# Altium PCB PCB.PcbDoc (part 2 of 10) (continued)
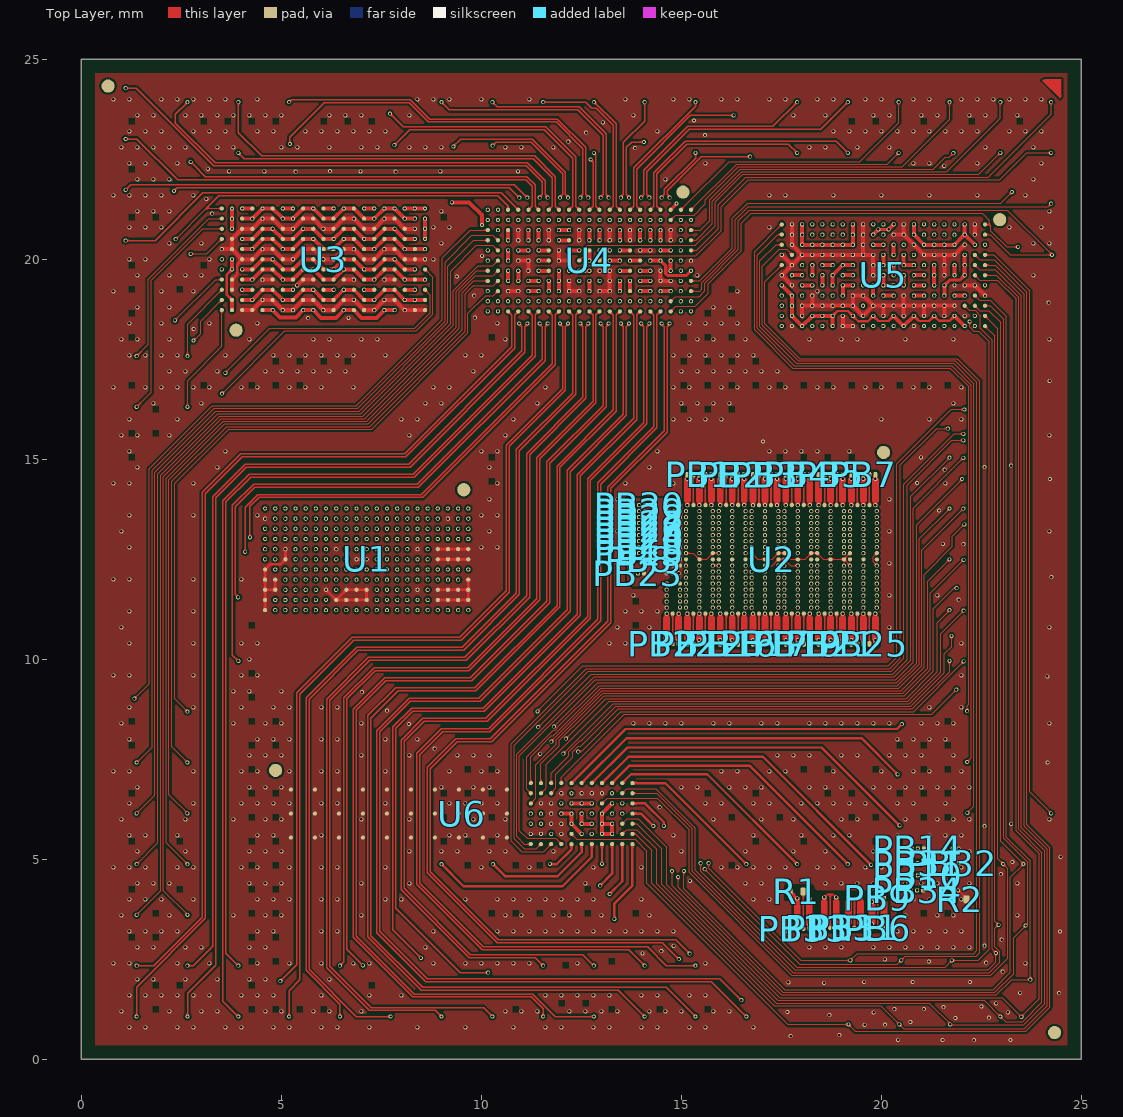
[diagram p0: Top Layer view]
## Nets (pads, with @x,y where several pads share a name; then routed paths per layer and width w, separated by ;. In a path a pad name is that pad's centre, name@x,y a point inside that pad or via, vN(x,y) a via of type N, cw(c..) or ccw(c..) an arc to the next point about the centre after c; other vN are vias at no path point) (continued)
  other v1: 13.207,4.133
  other v2: 13.207,4.133
  other v5: 13.207,4.133
  other v8: 6.15,4.88
  other v10: 13.215,3.822
eos34_sigIn_9: J1.T14 U6.G3 | length 7.3
  Top Layer w0.06: v5(12.969,4.341) 13.27,4.642 U6.G3@13.27,5.381
  Core1 w0.1: v6(12.498,4.33) 12.504,4.336 12.964,4.336 v5(12.969,4.341)
  bu3b w0.1: v3(7.42,4.88) v4(7.62,4.88)
  bu2b w0.1: v3(7.42,4.88) v4(7.62,4.88)
  bu1b w0.1: v3(7.42,4.88) 7.948,4.352 12.476,4.352 v6(12.498,4.33)
  other v1: 12.969,4.341
  other v2: 12.969,4.341
  other v7: 12.969,4.341
  other v8: 7.42,4.88
  other v10: 12.498,4.33
eos34_sigIn_10: J1.T10 U6.G4 | length 2
  Top Layer w0.06: U6.G4@13.016,5.381 13.017,5.38 v5(13.018,4.886) v5(13.018,4.886)
  Core1 w0.1: v3(12.5,4.88) 12.503,4.883 13.015,4.883 v5(13.018,4.886)
  Core1b w0.1: v3(12.5,4.88) v6(12.815,4.881)
  bu3b w0.1: v3(12.5,4.88) v4(12.7,4.88)
  bu2b w0.1: v3(12.5,4.88) v4(12.7,4.88)
  bu1b w0.1: v3(12.5,4.88) v6(12.815,4.881)
  other v1: 13.018,4.886
  other v2: 13.018,4.886
  other v7: 13.018,4.886
  other v8: 12.5,4.88
  other v10: 12.5,4.88
eos34_sigIn_11: J1.T13 U6.G5 | length 6
  Top Layer w0.06: v6(9.005,4.881) 9.558,4.327 12.028,4.327 12.762,5.061 U6.G5@12.762,5.381
  Core1 w0.1: v3(8.69,4.88) v6(9.005,4.881)
  Core1b w0.1: v3(8.69,4.88) v6(9.005,4.881)
  bu3b w0.1: v3(8.69,4.88) v4(8.89,4.88)
  bu2b w0.1: v3(8.69,4.88) v4(8.89,4.88)
  bu1b w0.1: v3(8.69,4.88) v6(9.005,4.881)
  other v1: 9.005,4.881
  other v2: 9.005,4.881
  other v5: 9.005,4.881
  other v7: 9.005,4.881
  other v8: 8.69,4.88
  other v10: 8.69,4.88
eos34_sigIn_12: J1.T12 U6.G6 | length 4.2
  Top Layer w0.06: v7(10.289,4.881) 10.589,4.581 11.91,4.581 12.507,5.178 12.507,5.38 U6.G6@12.508,5.381
  Core1 w0.1: v3(9.96,4.88) v7@10.288,4.881
  Core1b w0.1: v3(9.96,4.88) v6(10.275,4.881)
  bu3b w0.1: v3(9.96,4.88) v4(10.16,4.88)
  bu2b w0.1: v3(9.96,4.88) v4(10.16,4.88)
  bu1b w0.1: v3(9.96,4.88) v6(10.275,4.881)
  other v1: 10.289,4.881
  other v2: 10.289,4.881
  other v5: 10.289,4.881
  other v8: 9.96,4.88
  other v10: 9.96,4.88
eos34_sigIn_13: J1.T11 U6.G7 | length 2.3
  Top Layer w0.06: v7(11.711,4.889) 11.719,4.881 11.826,4.881 ; 11.827,4.881 11.887,4.881 12.254,5.248 U6.G7@12.254,5.381
  Core1 w0.1: v3(11.23,4.88) 11.235,4.885 11.707,4.885 v7(11.711,4.889)
  Core1b w0.1: v3(11.23,4.88) v6(11.545,4.881)
  bu3b w0.1: v3(11.23,4.88) v4(11.43,4.88)
  bu2b w0.1: v3(11.23,4.88) v4(11.43,4.88)
  bu1b w0.1: v3(11.23,4.88) v6(11.545,4.881)
  other v1: 11.711,4.889
  other v2: 11.711,4.889
  other v5: 11.711,4.889
  other v8: 11.23,4.88
  other v10: 11.23,4.88
equip__PulseCurver_Anode_v_E5: J1.M18 U1.O9 | length 8.2
  bu3b w0.035: v4(2.1,9.967) 2.107,9.96 v3(2.34,9.96)
  bu1 w0.03: v12(8.032,11.51) 8.146,11.624 8.146,11.735 v5(8.15,11.738)
  bu1b w0.03: v4(2.1,9.967) 2.094,9.961 1.847,9.961 1.705,10.103 1.705,10.257 1.88,10.432 5.116,10.432 6.376,11.692 7.937,11.692 8.032,11.597 v12(8.032,11.51)
  other v1: 8.15,11.738
  other v2: 8.15,11.738
  other v6: 8.032,11.51
  other v7: 8.032,11.51
  other v8: 2.1,9.967
equip__PulseCurver_Anode_v_E12: J1.L18 U1.F9 | length 5.3
  bu3b w0.035: v8(2.099,11.233) 2.102,11.23 v3(2.34,11.23)
  bu1 w0.03: v7(5.728,11.527) 5.864,11.663 v2(5.864,11.738)
  bu1b w0.03: v8(2.099,11.233) 1.876,11.233 1.713,11.396 1.713,11.552 1.892,11.731 5.524,11.731 v7(5.728,11.527)
  other v1: 5.864,11.738
  other v4: 2.099,11.233
  other v5: 5.864,11.738
  other v6: 5.728,11.527
  other v12: 5.728,11.527
equip__PulseCurver_Anode_v_E20: J1.J19 U1.O5 | length 7.9
  bu3b w0.035: v8(1.328,13.771) v3@1.071,13.771 ; v3(1.07,13.77) v3@1.071,13.771
  bu1 w0.03: v6(8.028,12.522) 8.146,12.64 8.146,12.751 v5(8.149,12.754)
  bu1b w0.03: v8(1.328,13.771) 1.559,13.771 1.69,13.64 1.69,13.466 1.977,13.179 7.089,13.179 7.552,12.716 7.834,12.716 v6(8.028,12.522)
  other v1: 8.149,12.754
  other v2: 8.149,12.754
  other v4: 1.328,13.771
  other v7: 8.028,12.522
  other v12: 8.028,12.522
equip__PulseCurver_Anode_v_E26: J1.K19 U1.G5 | length 5.8
  bu3b w0.035: v3(1.07,12.5) v4(1.27,12.5)
  bu1 w0.03: v7(5.975,13.017) 6.117,12.874 v2(6.117,12.754)
  bu1b w0.03: v4(1.27,12.5) 1.508,12.501 1.725,12.718 1.725,12.858 1.82,12.953 5.339,12.953 5.494,12.798 5.711,12.798 5.739,12.826 5.957,12.826 5.975,12.843 v7(5.975,13.017)
  other v1: 6.117,12.754
  other v5: 6.117,12.754
  other v6: 5.975,13.017
  other v8: 1.27,12.5
  other v12: 5.975,13.017
equip__PulseCurver_Anode_v_E30: J1.H19 U1.U2 | length 9.6
  bu3b w0.035: v3(1.07,15.04) 1.072,15.038 v8(1.324,15.038)
  bu1 w0.03: v7(9.549,13.284) 9.673,13.408 v1(9.673,13.516)
  bu1b w0.03: v8(1.324,15.038) 1.456,15.038 1.636,14.858 1.636,14.725 1.817,14.544 3.811,14.544 4.88,13.475 9.358,13.475 v7(9.549,13.284)
  other v2: 9.673,13.516
  other v4: 1.324,15.038
  other v5: 9.673,13.516
  other v6: 9.549,13.284
  other v12: 9.549,13.284
equip__PulseCurver_Cathode_v_E5: J1.M19 U1.N9 | length 8.3
  bu3b w0.035: v3(1.07,9.96) v4(1.27,9.96)
  bu1 w0.03: v5(7.896,11.738) 7.902,11.745 7.902,11.852 v12(8.022,11.972)
  bu1b w0.03: v4(1.27,9.96) 1.521,9.96 1.645,10.084 1.645,10.282 1.875,10.512 5.083,10.512 6.343,11.772 7.943,11.772 8.022,11.851 v12(8.022,11.972)
  other v1: 7.896,11.738
  other v2: 7.896,11.738
  other v6: 8.022,11.972
  other v7: 8.022,11.972
  other v8: 1.27,9.96
equip__PulseCurver_Cathode_v_E12: J1.L19 U1.E9 | length 5.4
  bu3b w0.035: v3(1.07,11.23) v8(1.27,11.23)
  bu1 w0.03: v2(5.61,11.738) 5.61,11.871 v6(5.728,11.989)
  bu1b w0.03: v8(1.27,11.23) 1.476,11.23 1.633,11.387 1.633,11.585 1.859,11.811 5.55,11.811 v6(5.728,11.989)
  other v1: 5.61,11.738
  other v4: 1.27,11.23
  other v5: 5.61,11.738
  other v7: 5.728,11.989
  other v12: 5.728,11.989
equip__PulseCurver_Cathode_v_E20: J1.J18 U1.N5 | length 7.7
  bu3b w0.035: v8(2.101,13.771) v3(2.34,13.77)
  bu1 w0.03: v2(7.895,12.754) 7.895,12.851 v7(8.028,12.984)
  bu1b w0.03: v8(2.101,13.771) 1.9,13.771 1.77,13.64 1.77,13.499 2.01,13.259 7.122,13.259 7.585,12.796 7.84,12.796 v7(8.028,12.984)
  other v1: 7.895,12.754
  other v4: 2.101,13.771
  other v5: 7.895,12.754
  other v6: 8.028,12.984
  other v12: 8.028,12.984
equip__PulseCurver_Cathode_v_E26: J1.K18 U1.F5 | length 5.4
  bu3b w0.035: v4(2.099,12.503) 2.102,12.5 v3(2.34,12.5)
  bu1 w0.03: v1(5.863,12.754) 5.871,12.747 5.871,12.659 v12(5.975,12.555)
  bu1b w0.03: v4(2.099,12.503) 2.097,12.501 2.022,12.501 1.805,12.718 1.805,12.825 1.853,12.873 5.306,12.873 5.461,12.718 5.744,12.718 5.772,12.746 5.957,12.746 5.975,12.728 v12(5.975,12.555)
  other v2: 5.863,12.754
  other v5: 5.863,12.754
  other v6: 5.975,12.555
  other v7: 5.975,12.555
  other v8: 2.099,12.503
equip__PulseCurver_Cathode_v_E30: J1.H18 U1.T2 | length 9.5
  bu3b w0.035: v8(2.081,15.04) v3(2.34,15.04)
  bu1 w0.03: v2(9.419,13.516) 9.419,13.616 v7(9.549,13.746)
  bu1b w0.03: v8(2.081,15.04) 1.898,15.04 1.716,14.858 1.716,14.758 1.85,14.624 3.844,14.624 4.913,13.555 9.358,13.555 v7(9.549,13.746)
  other v1: 9.419,13.516
  other v4: 2.081,15.04
  other v5: 9.419,13.516
  other v6: 9.549,13.746
  other v12: 9.549,13.746
fpa__hs_clk_n: J1.H16 U3.U5 | length 8.9
  bu3b w0.035: v3(4.88,15.04) v4(5.08,15.04)
  bu2b w0.035: v8(4.883,14.782) 5.08,14.979 v4(5.08,15.04)
  bu1 w0.03: v2(3.513,19.747) v2(3.513,19.747) 3.514,19.524 v7(3.515,19.523)
  bu1b w0.03: v7(3.515,19.523) 3.216,19.822 2.966,19.822 2.102,18.958 2.102,15.995 2.599,15.498 3.97,15.498 4.686,14.782 v8(4.883,14.782)
  other v1: 3.513,19.747
  other v5: 3.513,19.747
  other v6: 3.515,19.523
  other v12: 3.515,19.523
fpa__hs_clk_p: J1.J16 U3.U6 | length 9.7
  bu3b w0.035: v3(4.88,13.77) v4(5.08,13.77)
  bu2b w0.035: v8(4.894,14.06) 5.08,13.874 v4(5.08,13.77)
  bu1 w0.03: v2(3.513,20.001) 3.516,20.004 3.516,20.226 v7(3.518,20.228)
  bu1b w0.03: v7(3.518,20.228) 3.192,19.902 2.933,19.902 2.022,18.991 2.022,15.962 2.566,15.418 3.937,15.418 4.894,14.461 v8(4.894,14.06)
  other v1: 3.513,20.001
  other v5: 3.513,20.001
  other v6: 3.518,20.228
  other v12: 3.518,20.228
GND_TEST_NORTH: PB1.1 PB1.3 PB1.5 PB2.1 PB2.3 PB2.5 PB3.1 PB3.3 PB3.5 PB4.1 PB4.3 PB4.5 PB5.1 PB5.3 PB5.5 PB7.1 PB7.3 PB7.5 U2.199 U2.202 U2.203 U2.228 U2.231 U2.232 U2.257 U2.260 U2.261 U2.286 U2.289 U2.290 U2.315 U2.318 U2.319 U2.344 U2.347 U2.348
  other v1: 15.152,13.854 15.452,13.854 15.752,13.854 15.972,13.854 16.272,13.854 16.572,13.854 16.792,13.854 17.092,13.854 17.392,13.854 17.612,13.854 17.912,13.854 18.212,13.854 18.432,13.854 18.732,13.854 19.032,13.854 19.252,13.854 19.552,13.854 19.852,13.854 15.152,14.514 15.452,14.514 15.752,14.514 15.972,14.514 16.272,14.514 16.572,14.514 16.792,14.514 17.092,14.514 17.392,14.514 17.612,14.514 17.912,14.514 18.212,14.514 18.432,14.514 18.732,14.514 19.032,14.514 19.252,14.514 19.552,14.514 19.852,14.514
GND_TEST_SOUTH: PB12.1 PB12.3 PB12.5 PB16.1 PB16.3 PB16.5 PB17.1 PB17.3 PB17.5 PB19.1 PB19.3 PB19.5 PB21.1 PB21.3 PB21.5 PB22.1 PB22.3 PB25.1 PB25.3 PB25.5 U2.25 U2.28 U2.29 U2.54 U2.57 U2.58 U2.83 U2.86 U2.87 U2.112 U2.115 U2.116 U2.141 U2.144 U2.145 U2.170 U2.173 U2.174 U2.410 U2.412
  other v1: 14.634,10.484 14.934,10.484 15.152,10.484 15.452,10.484 15.752,10.484 15.972,10.484 16.272,10.484 16.572,10.484 16.792,10.484 17.092,10.484 17.392,10.484 17.612,10.484 17.912,10.484 18.212,10.484 18.432,10.484 18.732,10.484 19.032,10.484 19.252,10.484 19.552,10.484 19.852,10.484 14.632,11.144 14.932,11.144 15.152,11.144 15.452,11.144 15.752,11.144 15.972,11.144 16.272,11.144 16.572,11.144 16.792,11.144 17.092,11.144 17.392,11.144 17.612,11.144 17.912,11.144 18.212,11.144 18.432,11.144 18.732,11.144 19.032,11.144 19.252,11.144 19.552,11.144 19.852,11.144
GND_TEST_WEST: PB8.1 PB8.3 PB15.1 PB15.3 PB18.1 PB18.3 PB20.1 PB20.3 PB23.1 PB23.3 PB24.1 PB24.3 PB26.1 PB26.3 PB27.1 PB27.3 PB28.1 PB28.3 PB29.1 PB29.3 PB30.1 PB30.3 U2.367 U2.369 U2.370 U2.372 U2.373 U2.375 U2.376 U2.378 U2.379 U2.381 U2.382 U2.384 U2.385 U2.387 U2.388 U2.390 U2.391 U2.393 U2.394 U2.396 U2.397 U2.398 U2.399 U2.413 U2.415 | length 6.3
  bu3 w0.05: v2(13.762,12.15) 13.762,12.084 13.838,12.008 14.885,12.008 14.932,12.055 v1(14.932,12.15)
  bu3 w0.1: v2(13.762,12.15) 13.762,12.31 13.797,12.345 v1(13.797,12.504) v1(13.797,12.654) v1(13.797,12.804) v1(13.797,12.954) v1(13.797,13.104) v1(13.797,13.254) v1(13.797,13.404) v1(13.797,13.554) v1(13.797,13.704) v1(13.797,13.854) 13.797,13.973 13.894,14.07 14.847,14.07 14.967,13.95 v1(14.967,13.704) v1(14.967,13.554) v1(14.967,13.404) v1(14.967,13.254) v1(14.967,13.104) v1(14.967,12.954) v1(14.967,12.804) v1(14.967,12.654) v1(14.967,12.504) 14.967,12.477 14.932,12.442 v1(14.932,12.15)
  other v1: 13.762,12.15 14.967,13.854
  other v2: 14.932,12.15 13.797,12.504 14.967,12.504 13.797,12.654 14.967,12.654 13.797,12.804 14.967,12.804 13.797,12.954 14.967,12.954 13.797,13.104 14.967,13.104 13.797,13.254 14.967,13.254 13.797,13.404 14.967,13.404 13.797,13.554 14.967,13.554 13.797,13.704 14.967,13.704 13.797,13.854 14.967,13.854
HVDD: J1.H14 J1.J13 J1.J15 J1.K14 J1.L13 J1.L15 J1.M14 J1.N13 J1.N15 U3.A2 U3.A4 U3.A7 U3.B2 U3.B4 U3.B7 U3.B10 U3.C2 U3.C4 U3.C7 U3.C10 U3.D3 U3.D5 U3.D8 U3.D11 U3.E3 U3.E5 U3.E8 U3.E11 U3.F2 U3.F4 U3.F7 U3.F10 U3.G2 U3.G4 U3.G7 U3.G10 U3.H3 U3.H5 U3.H8 U3.H11 U3.I3 U3.I5 U3.I8 U3.I11 U3.J2 U3.J4 U3.J7 U3.J10 U3.K2 U3.K4 U3.K7 U3.K10 U3.L3 U3.L5 U3.L8 U3.L11 U3.M3 U3.M5 U3.M8 U3.M11 U3.N2 U3.N4 U3.N7 U3.N10 U3.O2 U3.O4 U3.O7 U3.O10 U3.P3 U3.P5 U3.P8 U3.P11 U3.Q3 U3.Q5 U3.Q8 U3.Q11 U3.R2 U3.R4 U3.R7 U3.R10 U3.S2 U3.S4 U3.S7 U3.S10 U4.C5 U4.C6 U4.F3 U4.F4 U4.G8 U4.G9 U4.I5 U4.J5 U4.L3 U4.L4 U4.P3 U4.P4 U4.P8 U4.Q8 U4.T4 U4.T8 U5.B6 U5.C6 U5.F6 U5.F7 U5.G5 U5.H5 U5.J1 U5.K6 U5.K7 U5.L3 U5.L4 U5.L7 U5.P5 U5.P6 U5.P7 U6.C3 U6.D4 U6.E3 U6.E4 U6.F3 U6.F4 | length 61.9
  Top Layer w0.1: U3.S2@4.021,18.985 v1(4.275,18.985) U3.Q3@4.529,19.239 U3.P3@4.783,19.239 v1(5.037,18.985) U3.N2@5.291,18.985 U3.M3@5.545,19.239 v1(5.799,19.239) U3.K2@6.053,18.985 U3.J2@6.307,18.985 v1(6.561,19.239) U3.H3@6.815,19.239 U3.G2@7.069,18.985 v1(7.323,18.985) U3.E3@7.577,19.239 U3.D3@7.831,19.239 v1(8.085,18.985) v1(8.339,18.985) U3.A2@8.593,18.985 ; U3.S4@4.021,19.493 v1(4.275,19.493) U3.Q5@4.529,19.747 U3.P5@4.783,19.747 v1(5.037,19.493) U3.N4@5.291,19.493 U3.M5@5.545,19.747 v1(5.799,19.747) U3.K4@6.053,19.493 U3.J4@6.307,19.493 v1(6.561,19.747) U3.H5@6.815,19.747 U3.G4@7.069,19.493 v1(7.323,19.493) U3.E5@7.577,19.747 U3.D5@7.831,19.747 v1(8.085,19.493) U3.B4@8.339,19.493 v1(8.593,19.493) ; U3.S7@4.021,20.255 v1(4.275,20.255) U3.Q8@4.529,20.509 U3.P8@4.783,20.509 v1(5.037,20.255) U3.N7@5.291,20.255 U3.M8@5.545,20.509 v1(5.799,20.509) U3.K7@6.053,20.255 U3.J7@6.307,20.255 v1(6.561,20.509) U3.H8@6.815,20.509 U3.G7@7.069,20.255 v1(7.323,20.255) U3.E8@7.577,20.509 U3.D8@7.831,20.509 v1(8.085,20.255) U3.B7@8.339,20.255 v1(8.593,20.255) ; U3.S10@4.021,21.017 v1(4.275,21.017) v1(4.529,21.271) U3.P11@4.783,21.271 v1(5.037,21.017) v1(5.291,21.017) U3.M11@5.545,21.271 v1(5.799,21.271) U3.K10@6.053,21.017 U3.J10@6.307,21.017 v1(6.561,21.271) U3.H11@6.815,21.271 U3.G10@7.069,21.017 v1(7.323,21.017) v1(7.577,21.271) v1(7.831,21.271) v1(8.085,21.017) v1(8.339,21.017) ; v1(10.67,19.968) v1(10.67,20.222) ; v1(11.432,20.476) v1(11.432,20.73) ; v1(11.686,19.206) v1(11.686,19.46) ; v1(12.194,20.222) v1(12.448,20.222) ; v1(12.956,20.476) v1(12.956,20.73) ; v1(13.27,6.397) v1(13.016,6.143) v1(13.016,5.889) ; v1(13.972,19.46) v1(14.226,19.46) ; v1(13.972,20.476) v1(13.972,20.73) ; v1(17.766,19.602) v1(18.02,19.602) ; v1(18.782,19.348) v1(18.782,19.602) v1(19.036,19.856) v1(19.29,19.856) ; v1(20.052,19.602) v1(20.052,19.348) v1(20.306,19.348) ; v1(20.306,20.11) v1(20.306,20.364) ; v1(21.322,19.348) v1(21.322,19.602) v1(21.322,19.856) ; v1(13.016,5.889) v1(13.27,5.889) v1(13.27,5.635) v1(13.016,5.635) v1(13.016,5.889)
  bu3 w0.08: v1(19.798,20.872) 19.798,20.868 19.673,20.743 19.673,20.537 19.72,20.49 20.18,20.49 v1(20.306,20.364)
  bu3 w0.1: v1(4.275,18.985) v1(4.275,19.493) v1(4.275,20.255) v1(4.275,21.017) v1(4.529,21.271) ; v1(5.037,18.985) v1(5.037,19.493) v1(5.037,20.255) v1(5.037,21.017) v1(5.291,21.017) 5.545,21.271 v1(5.799,21.271) v1(5.799,20.509) v1(5.799,19.747) v1(5.799,19.239) ; v1(6.561,19.239) v1(6.561,19.747) v1(6.561,20.509) v1(6.561,21.271) ; v1(7.323,18.985) v1(7.323,19.493) v1(7.323,20.255) v2(7.323,20.355) v1(7.323,21.017) v1(7.577,21.271) v1(7.831,21.271) ; v1(8.339,18.985) v1(8.085,18.985) v1(8.085,19.493) v1(8.085,20.255) v1(8.085,21.017) v1(8.339,21.017) ; v1(10.67,19.968) v2(10.67,20.095) v1(10.67,20.222) ; v1(11.432,20.476) v2(11.432,20.603) v1(11.432,20.73) ; v1(11.686,19.206) v2(11.686,19.333) v1(11.686,19.46) ; v1(12.194,20.222) v2(12.321,20.222) v1(12.448,20.222) ; v1(12.956,20.476) v2(12.956,20.603) v1(12.956,20.73) ; v1(13.016,5.635) v1(13.27,5.635) ; v1(13.016,5.889) v1(13.27,5.889) ; v1(13.016,6.143) v1(13.27,6.397) ; v1(13.972,19.46) v2(14.099,19.46) v1(14.226,19.46) ; v1(13.972,20.476) v2(13.972,20.603) v1(13.972,20.73) ; v1(17.766,19.602) v2(17.893,19.602) v1(18.02,19.602) ; v1(18.782,19.348) v2(18.782,19.475) v1(18.782,19.602) v1(19.036,19.856) v2(19.163,19.856) v1(19.29,19.856) ; v1(20.052,19.602) v2(20.052,19.475) v1(20.052,19.348) v2(20.179,19.348) v1(20.306,19.348) ; v1(20.306,20.11) v2(20.306,20.237) v1(20.306,20.364) ; v1(21.322,19.348) v2(21.322,19.475) v1(21.322,19.602) v2(21.322,19.729) v1(21.322,19.856)
  Core1 w0.1: v1(11.686,19.46) v9(11.686,19.968) ; v1(20.052,19.348) v9(20.306,19.602) v1(20.306,20.11) v9(20.052,20.364)
  bu2 w0.08: v1(12.448,20.222) 12.448,20.224 12.567,20.343 12.567,20.658 12.639,20.73 v1(12.956,20.73) ; v1(14.226,19.46) 14.357,19.46 14.479,19.338 14.866,19.338 v1(14.988,19.46)
  bu2 w0.1: v1(10.67,19.968) v2(10.67,20.095) ; v2(11.432,20.603) v1(11.432,20.73) ; v2(11.686,19.333) v1(11.686,19.46) ; v2(12.321,20.222) v1(12.448,20.222) ; v2(12.956,20.603) v1(12.956,20.73) ; v1(13.972,20.476) v2(13.972,20.603) v1(13.972,20.73) ; v2(14.099,19.46) v1(14.226,19.46) ; v1(17.766,19.602) v2(17.893,19.602) v1(18.02,19.602) ; v2(18.782,19.475) v1(18.782,19.602) v1(19.036,19.856) v2(19.163,19.856) ; v2(20.052,19.475) v1(20.052,19.348) v2(20.179,19.348) ; v1(20.306,20.11) v2(20.306,20.237) ; v2(21.322,19.475) v1(21.322,19.602) v2(21.322,19.729)
  bu2b w0.1: v11(21.326,19.484) 21.441,19.599 v11(21.441,19.602)
  bu1 w0.08: v7(13.718,19.968) 13.953,19.968 14.128,19.793 14.128,19.558 v1(14.226,19.46) ; v1(14.988,20.476) 14.862,20.602 14.862,20.858 v7(14.988,20.984)
  bu1 w0.1: v5(7.821,19.403) v13(8.006,19.403) ; v1(13.972,20.476) v1(13.972,20.73) ; v7(14.988,19.714) v1(14.988,20.476) ; v1(17.766,19.602) v2(17.893,19.602) v1(18.02,19.602)
  bu1b w0.1: v5(4.006,21.203) 4.181,21.203 v4(4.187,21.209) ; v13(4.406,20.303) 4.407,20.304 v11(4.407,20.445) ; v11(4.805,19.287) v5(4.806,19.403) v5(4.806,19.403) ; v11@4.806,21.095 v5(4.806,21.203) ; v11(5.204,20.446) 5.204,20.305 v13(5.206,20.303) ; v11(5.606,19.276) v5(5.606,19.403) ; v5(5.606,21.203) v11@5.606,21.311 ; v13(6.006,20.303) v11(6.006,20.448) ; v11(6.406,19.281) v5(6.406,19.403) ; v11(6.407,21.094) v5(6.406,21.203) ; v13(6.806,20.303) v11(6.806,20.431) ; v11(7.204,19.274) 7.204,19.401 v5(7.206,19.403) ; v5(7.206,21.203) v11@7.206,21.311 ; v11(7.605,20.412) v11(7.605,20.412) v13(7.606,20.303) ; v11(7.915,19.309) 7.915,19.312 v13(8.006,19.403) ; v5(7.981,21.203) v11@7.981,21.311 ; v1(10.67,19.968) 10.671,19.969 v11(10.671,20.09) ; v1(11.432,20.73) v11(11.52,20.819) ; v11(11.607,19.361) 11.607,19.381 v1(11.686,19.46) ; v9(11.686,19.968) 11.78,20.062 v11(11.78,20.066) ; v11(12.368,20.125) 12.368,20.142 v1(12.448,20.222) ; v1(12.956,20.73) v11(13.088,20.73) ; v11(13.718,19.846) v7(13.718,19.968) ; v1(13.972,20.73) 13.974,20.732 v11(14.102,20.732) ; v11(14.105,19.456) 14.222,19.456 v1(14.226,19.46) ; v11(14.844,19.716) 14.986,19.716 v7(14.988,19.714) ; v11(14.987,21.112) 14.987,20.985 v7(14.988,20.984) ; v11(17.641,19.601) 17.658,19.601 17.66,19.603 17.765,19.603 v1(17.766,19.602) ; v11(18.658,19.611) 18.773,19.611 v1(18.782,19.602) ; v11(18.984,19.753) 18.984,19.804 v1(19.036,19.856) ; v11(19.956,20.274) 19.962,20.274 v9(20.052,20.364) ; v1(20.052,19.348) 20.053,19.349 v11(20.053,19.468) 20.187,19.602 v9(20.306,19.602) 20.312,19.608 v11(20.428,19.608) ; v1(20.306,20.11) 20.307,20.111 v11(20.432,20.111) ; v11(21.326,19.484) 21.326,19.598 v1(21.322,19.602) v11(21.441,19.602)
  other v2: 13.016,5.635 13.143,5.635 13.27,5.635 13.016,5.889 13.143,5.889 13.27,5.889 13.016,6.143 13.143,6.27 13.27,6.397 4.275,19.366 5.037,19.366 5.799,19.353 6.561,19.352 7.323,19.356 8.085,19.353 5.799,19.453 6.561,19.453 14.988,19.46 8.593,19.493 18.02,19.602 4.275,20.255 5.037,20.255 5.799,20.255 6.561,20.255 7.323,20.255 8.593,20.255 4.275,20.356 5.037,20.356 5.799,20.355 6.561,20.355 8.085,20.355 13.972,20.476 14.988,20.476 4.419,21.162 5.799,21.159 6.561,21.157 5.454,21.18 4.529,21.271 5.799,21.271 6.561,21.271 7.577,21.271 7.831,21.271
  other v3: 6.05,8.59 6.25,8.59 8.59,8.59 8.79,8.59 6.05,8.79 6.25,8.79 8.59,8.79 8.79,8.79 7.32,9.86 7.52,9.86 7.32,10.06 7.52,10.06 6.05,11.13 6.25,11.13 8.59,11.13 8.79,11.13 6.05,11.33 6.25,11.33 8.59,11.33 8.79,11.33 7.32,12.4 7.52,12.4 7.32,12.6 7.52,12.6 6.05,13.67 6.25,13.67 8.59,13.67 8.79,13.67 6.05,13.87 6.25,13.87 8.59,13.87 8.79,13.87 7.32,14.94 7.52,14.94 7.32,15.14 7.52,15.14
  other v4: 7.176,9.468 7.326,9.468 7.476,9.468 7.626,9.468 7.776,9.468 7.176,9.593 7.326,9.593 7.476,9.593 7.626,9.593 7.776,9.593 7.176,9.718 7.326,9.718 7.476,9.718 7.626,9.718 7.776,9.718 4.805,19.287 5.606,19.276 6.406,19.281 7.204,19.274 7.915,19.309 11.607,19.361 14.105,19.456 20.053,19.468 21.326,19.484 17.641,19.601 18.658,19.611 20.428,19.608 21.441,19.602 14.844,19.716 18.984,19.753 13.718,19.846 11.78,20.066 10.671,20.09 12.368,20.125 20.432,20.111 19.956,20.274 6.806,20.431 7.605,20.412 4.407,20.445 5.204,20.446 6.006,20.448 13.088,20.73 14.102,20.732 11.52,20.819 4.807,21.094 6.407,21.094 14.987,21.112 5.605,21.312 7.205,21.312 7.98,21.312
  other v5: 12.889,5.635 13.397,5.635 13.143,5.889 12.889,6.143 13.397,6.143 13.143,6.397 20.052,19.348 11.686,19.46 14.226,19.46 17.766,19.602 17.893,19.602 18.02,19.602 18.782,19.602 21.322,19.602 19.036,19.856 10.67,19.968 20.306,20.11 12.448,20.222 4.406,20.303 5.206,20.303 6.006,20.303 6.806,20.303 7.606,20.303 13.972,20.476 14.988,20.476 11.432,20.73 12.956,20.73 13.972,20.73
  other v6: 14.044,5.732 14.359,5.732 14.674,5.732 14.989,5.732 14.045,6 14.36,6 14.675,6 14.99,6 14.047,6.3 14.362,6.3 14.677,6.3 14.992,6.3 20.052,19.348 4.806,19.403 5.606,19.403 6.406,19.403 7.206,19.403 8.006,19.403 11.686,19.46 14.226,19.46 17.766,19.602 18.782,19.602 20.306,19.602 21.322,19.602 14.988,19.714 19.036,19.856 10.67,19.968 11.686,19.968 13.718,19.968 20.306,20.11 12.448,20.222 4.406,20.303 5.206,20.303 6.006,20.303 6.806,20.303 7.606,20.303 20.052,20.364 11.432,20.73 12.956,20.73 13.972,20.73 14.988,20.984 4.006,21.203 4.806,21.203 5.606,21.203 6.406,21.203 7.206,21.203 7.981,21.203
  other v7: 12.889,5.635 13.397,5.635 13.143,5.889 12.889,6.143 13.397,6.143 13.143,6.397 20.052,19.348 11.686,19.46 14.226,19.46 17.766,19.602 18.782,19.602 21.322,19.602 19.036,19.856 10.67,19.968 20.306,20.11 12.448,20.222 11.432,20.73 12.956,20.73 13.972,20.73
  other v8: 7.176,9.468 7.326,9.468 7.476,9.468 7.626,9.468 7.776,9.468 7.176,9.593 7.326,9.593 7.476,9.593 7.626,9.593 7.776,9.593 7.176,9.718 7.326,9.718 7.476,9.718 7.626,9.718 7.776,9.718
  other v9: 12.889,5.635 13.397,5.635 13.143,5.889 12.889,6.143 13.397,6.143 13.143,6.397 20.052,19.348 11.686,19.46 14.226,19.46 17.766,19.602 18.782,19.602 21.322,19.602 14.988,19.714 19.036,19.856 10.67,19.968 13.718,19.968 20.306,20.11 12.448,20.222 11.432,20.73 12.956,20.73 13.972,20.73 14.988,20.984
  other v10: 4.806,19.403 5.606,19.403 6.406,19.403 7.206,19.403 8.006,19.403 4.406,20.303 5.206,20.303 6.006,20.303 6.806,20.303 7.606,20.303 4.006,21.203 4.806,21.203 5.606,21.203 6.406,21.203 7.206,21.203 7.981,21.203
  other v11: 4.807,21.094 4.187,21.209 5.605,21.312 7.205,21.312 7.98,21.312
  other v13: 4.806,19.403 5.606,19.403 6.406,19.403 7.206,19.403 4.006,21.203 4.806,21.203 5.606,21.203 6.406,21.203 7.206,21.203 7.981,21.203
S__1: PB25.4 U2.26 | length 0.8
  Top Layer w0.04: PB25.4@19.702,10.384 U2.26@19.702,11.144
S__2: PB25.2 U2.27 | length 0.8
  Top Layer w0.04: PB25.2@19.402,10.384 U2.27@19.402,11.144
S__3: PB21.4 U2.55 | length 0.8
  Top Layer w0.04: PB21.4@18.882,10.384 U2.55@18.882,11.144
S__4: PB21.2 U2.56 | length 0.8
  Top Layer w0.04: PB21.2@18.582,10.384 U2.56@18.582,11.144
S__5: PB19.4 U2.84 | length 0.8
  Top Layer w0.04: PB19.4@18.062,10.384 U2.84@18.062,11.144
S__6: PB19.2 U2.85 | length 0.8
  Top Layer w0.04: PB19.2@17.762,10.384 U2.85@17.762,11.144
S__7: PB17.4 U2.113 | length 0.8
  Top Layer w0.04: PB17.4@17.242,10.384 U2.113@17.242,11.144
S__8: PB17.2 U2.114 | length 0.8
  Top Layer w0.04: PB17.2@16.942,10.384 U2.114@16.942,11.144
S__9: PB16.4 U2.142 | length 0.8
  Top Layer w0.04: PB16.4@16.422,10.384 U2.142@16.422,11.144
S__10: PB16.2 U2.143 | length 0.8
  Top Layer w0.04: PB16.2@16.122,10.384 U2.143@16.122,11.144
S__11: PB12.4 U2.171 | length 0.8
  Top Layer w0.04: PB12.4@15.602,10.384 U2.171@15.602,11.144
S__12: PB12.2 U2.172 | length 0.8
  Top Layer w0.04: PB12.2@15.302,10.384 U2.172@15.302,11.144
S__13: PB7.4 U2.200 | length 0.8
  Top Layer w0.04: U2.200@19.702,13.854 PB7.4@19.702,14.614
S__14: PB7.2 U2.201 | length 0.8
  Top Layer w0.04: U2.201@19.402,13.854 PB7.2@19.402,14.614
S__15: PB5.4 U2.229 | length 0.8
  Top Layer w0.04: U2.229@18.882,13.854 PB5.4@18.882,14.614
S__16: PB5.2 U2.230 | length 0.8
  Top Layer w0.04: U2.230@18.582,13.854 PB5.2@18.582,14.614
S__17: PB4.4 U2.258 | length 0.8
  Top Layer w0.04: U2.258@18.062,13.854 PB4.4@18.062,14.614
S__18: PB4.2 U2.259 | length 0.8
  Top Layer w0.04: U2.259@17.762,13.854 PB4.2@17.762,14.614
S__19: PB3.4 U2.287 | length 0.8
  Top Layer w0.04: U2.287@17.242,13.854 PB3.4@17.242,14.614
S__20: PB3.2 U2.288 | length 0.8
  Top Layer w0.04: U2.288@16.942,13.854 PB3.2@16.942,14.614
S__21: PB2.4 U2.316 | length 0.8
  Top Layer w0.04: U2.316@16.422,13.854 PB2.4@16.422,14.614
S__22: PB2.2 U2.317 | length 0.8
  Top Layer w0.04: U2.317@16.122,13.854 PB2.2@16.122,14.614
S__23: PB1.4 U2.345 | length 0.8
  Top Layer w0.04: U2.345@15.602,13.854 PB1.4@15.602,14.614
S__24: PB1.2 U2.346 | length 0.8
  Top Layer w0.04: U2.346@15.302,13.854 PB1.2@15.302,14.614
S__DEEMB_IN: PB22.2 U2.411 | length 0.8
  Top Layer w0.04: PB22.2@14.782,10.384 U2.411@14.782,11.144
S__DEEMB_OUT: PB23.2 U2.414 | length 0.9
  bu3 w0.04: v1@13.888,12.15 v1(14.782,12.15)
  other v1: 13.912,12.15
S__test__0: PB30.2 U2.368 | length 0.9
  bu3 w0.04: v1@13.923,13.854 v1(14.817,13.854)
  other v1: 13.947,13.854
S__test__1: PB29.2 U2.371 | length 0.9
  bu3 w0.04: v1@13.923,13.704 v1(14.817,13.704)
  other v1: 13.947,13.704
S__test__2: PB28.2 U2.374 | length 0.9
  bu3 w0.04: v1@13.923,13.554 v1(14.817,13.554)
  other v1: 13.947,13.554
S__test__3: PB27.2 U2.377 | length 0.9
  bu3 w0.04: v1@13.923,13.404 v1(14.817,13.404)
  other v1: 13.947,13.404
S__test__4: PB26.2 U2.380 | length 0.9
  bu3 w0.04: v1@13.923,13.254 v1(14.817,13.254)
  other v1: 13.947,13.254
S__test__5: PB24.2 U2.383 | length 0.9
  bu3 w0.04: v1@13.923,13.104 v1(14.817,13.104)
  other v1: 13.947,13.104
S__test__6: PB20.2 U2.386 | length 0.9
  bu3 w0.04: v1@13.923,12.954 v1(14.817,12.954)
  other v1: 13.947,12.954
S__test__7: PB18.2 U2.389 | length 0.9
  bu3 w0.04: v1@13.923,12.804 v1(14.817,12.804)
  other v1: 13.947,12.804
S__test__8: PB15.2 U2.392 | length 0.9
  bu3 w0.04: v1@13.963,12.654 v1(14.817,12.654)
  other v1: 13.947,12.654
S__test__9: PB8.2 U2.395 | length 0.9
  bu3 w0.04: v1@13.923,12.504 v1(14.817,12.504)
  other v1: 13.947,12.504
S_Load1: PB33.2 R1.2 | length 0.9
  Top Layer w0.04: PB33.2@18.05,3.264 R1.2@18.049,4.195
S_Load2: PB34.2 R2.2 | length 1.1
  Top Layer w0.04: v1(21.766,4.224) 21.766,4.013 R2.2@21.782,3.997
  bu3 w0.04: v1@20.872,4.224 v1(21.766,4.224)
  other v1: 20.896,4.224
S_Open1: PB10.2 | length 0.9
  bu3 w0.04: v1@20.888,4.596 v1(21.782,4.596)
  other v1: 20.912,4.596
S_Open2: PB11.2 | length 0.8
  Top Layer w0.04: PB11.2@19.329,3.288 19.329,4.048